# Altium PCB fpgav2.2.PcbDoc (part 1 of 5) (continued)
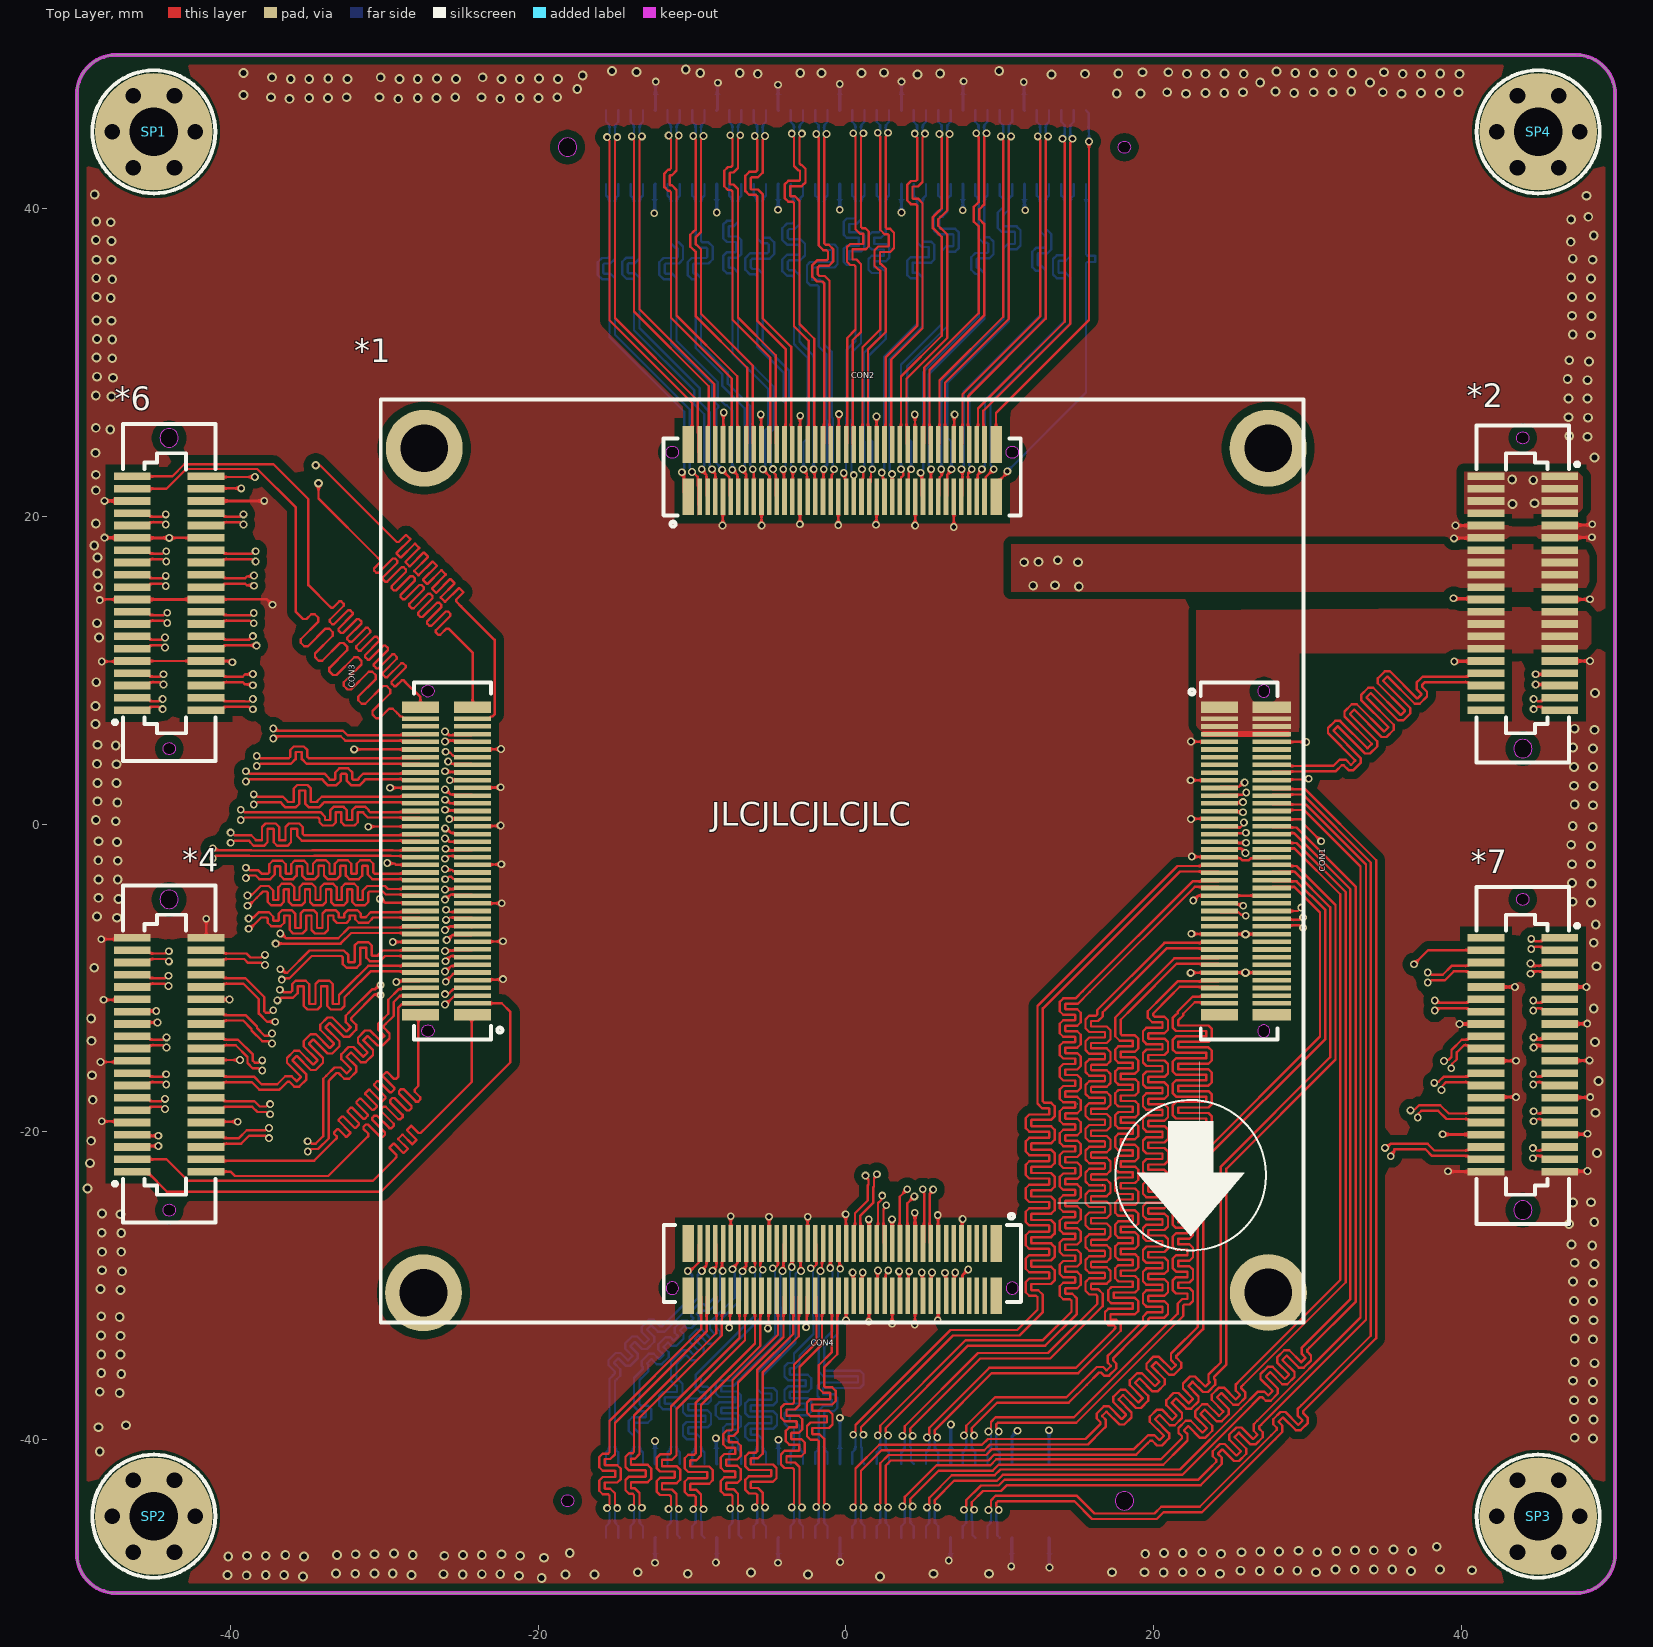
[diagram p0: Top Layer view]
## Footprints (in the part's own frame and the unit in brackets; to place one, negate y for a bottom-side part, rotate by r counter-clockwise, add the part's x,y. Pads: shape width x height; smd on the part's side, far side on the other; paste and mask are expansions set on the pad) (continued)
  round 5 hole 3.1: ""(-27.473,-27.473) ""(-27.417,27.429) ""(27.445,27.429) ""(27.457,-27.46)
  Keep-Out Layer board cut-out: -27.177,-10.854 -27.33,-10.823 -27.459,-10.736 -27.546,-10.607 -27.577,-10.454 -27.577,-10.454 -27.546,-10.301 -27.459,-10.171 -27.33,-10.084 -27.177,-10.054 -27.177,-10.054 -27.023,-10.084 -26.894,-10.171 -26.807,-10.301 -26.777,-10.454 -26.777,-10.454 -26.807,-10.607 -26.894,-10.736 -27.023,-10.823 -27.177,-10.854
  Keep-Out Layer board cut-out: -27.177,11.246 -27.33,11.277 -27.46,11.364 -27.546,11.493 -27.577,11.646 -27.577,11.646 -27.546,11.799 -27.46,11.929 -27.33,12.016 -27.177,12.046 -27.177,12.046 -27.024,12.016 -26.894,11.929 -26.807,11.799 -26.777,11.646 -26.777,11.646 -26.807,11.493 -26.894,11.364 -27.024,11.277 -27.177,11.246
  Keep-Out Layer board cut-out: -11.296,26.768 -11.449,26.798 -11.578,26.885 -11.665,27.014 -11.696,27.168 -11.696,27.168 -11.665,27.321 -11.578,27.45 -11.449,27.537 -11.296,27.568 -11.296,27.568 -11.143,27.537 -11.013,27.45 -10.926,27.321 -10.896,27.168 -10.896,27.168 -10.926,27.014 -11.013,26.885 -11.143,26.798 -11.296,26.768
  Keep-Out Layer board cut-out: 10.804,26.768 10.651,26.798 10.522,26.885 10.435,27.015 10.404,27.168 10.404,27.168 10.435,27.321 10.522,27.451 10.651,27.537 10.804,27.568 10.804,27.568 10.957,27.537 11.087,27.451 11.174,27.321 11.204,27.168 11.204,27.168 11.174,27.015 11.087,26.885 10.957,26.798 10.804,26.768
  Keep-Out Layer board cut-out: 26.762,11.641 26.792,11.488 26.879,11.359 27.009,11.272 27.162,11.241 27.162,11.241 27.315,11.272 27.445,11.359 27.531,11.488 27.562,11.641 27.562,11.641 27.531,11.794 27.445,11.924 27.315,12.011 27.162,12.041 27.162,12.041 27.009,12.011 26.879,11.924 26.792,11.794 26.762,11.641
  Keep-Out Layer board cut-out: 26.762,-10.459 26.792,-10.612 26.879,-10.741 27.009,-10.828 27.162,-10.859 27.162,-10.859 27.315,-10.828 27.445,-10.741 27.531,-10.612 27.562,-10.459 27.562,-10.459 27.531,-10.306 27.445,-10.176 27.315,-10.089 27.162,-10.059 27.162,-10.059 27.009,-10.089 26.879,-10.176 26.792,-10.306 26.762,-10.459
  Keep-Out Layer board cut-out: 10.409,-27.172 10.439,-27.325 10.526,-27.455 10.656,-27.541 10.809,-27.572 10.809,-27.572 10.962,-27.541 11.092,-27.455 11.178,-27.325 11.209,-27.172 11.209,-27.172 11.178,-27.019 11.092,-26.889 10.962,-26.802 10.809,-26.772 10.809,-26.772 10.656,-26.802 10.526,-26.889 10.439,-27.019 10.409,-27.172
  Keep-Out Layer board cut-out: -11.701,-27.172 -11.67,-27.329 -11.581,-27.462 -11.448,-27.551 -11.291,-27.582 -11.291,-27.582 -11.134,-27.551 -11.001,-27.462 -10.913,-27.329 -10.881,-27.172 -10.881,-27.172 -10.913,-27.015 -11.001,-26.882 -11.134,-26.793 -11.291,-26.762 -11.291,-26.762 -11.448,-26.793 -11.581,-26.882 -11.67,-27.015 -11.701,-27.172
  silkscreen extent -30.25,-29.4 29.75,30.6, body extent -28.3,-28.33 28.24,28.39, height 2.4
BTB-08-40-G-H1.0 [mm] "BTB 公座，0.8mm间距"
  rect 0.5x2.4 smd mask+0.051: 1(-7.6,2.4) 2(-7.6,-2.4) 3(-6.8,2.4) 4(-6.8,-2.4) 5(-6,2.4) 6(-6,-2.4) 7(-5.2,2.4) 8(-5.2,-2.4) 9(-4.4,2.4) 10(-4.4,-2.4) 11(-3.6,2.4) 12(-3.6,-2.4) 13(-2.8,2.4) 14(-2.8,-2.4) 15(-2,2.4) 16(-2,-2.4) 17(-1.2,2.4) 18(-1.2,-2.4) 19(-0.4,2.4) 20(-0.4,-2.4) 21(0.4,2.4) 22(0.4,-2.4) 23(1.2,2.4) 24(1.2,-2.4) 25(2,2.4) 26(2,-2.4) 27(2.8,2.4) 28(2.8,-2.4) 29(3.6,2.4) 30(3.6,-2.4) 31(4.4,2.4) 32(4.4,-2.4) 33(5.2,2.4) 34(5.2,-2.4) 35(6,2.4) 36(6,-2.4) 37(6.8,2.4) 38(6.8,-2.4) 39(7.6,2.4) 40(7.6,-2.4)
  Keep-Out Layer board cut-out: 9.5,0 9.546,-0.23 9.676,-0.424 9.87,-0.554 10.1,-0.6 10.1,-0.6 10.33,-0.554 10.524,-0.424 10.654,-0.23 10.7,0 10.7,0 10.654,0.23 10.524,0.424 10.33,0.554 10.1,0.6 10.1,0.6 9.87,0.554 9.676,0.424 9.546,0.23 9.5,0
  Keep-Out Layer board cut-out: -10.1,-0.4 -10.253,-0.37 -10.383,-0.283 -10.469,-0.153 -10.5,0 -10.5,0 -10.469,0.153 -10.383,0.283 -10.253,0.37 -10.1,0.4 -10.1,0.4 -9.947,0.37 -9.817,0.283 -9.73,0.153 -9.7,0 -9.7,0 -9.73,-0.153 -9.817,-0.283 -9.947,-0.37 -10.1,-0.4
  silkscreen extent -10.9,-3 11,3.66, body extent -10.87,-3 10.93,3, height 3.85
BTB-08-80-M [mm] "BTB 母座，0.8mm间距"
  rect 0.5x2 smd mask+0.051: 1(-15.6,-2.4) 2(-15.6,2.4) 3(-14.8,-2.4) 4(-14.8,2.4) 5(-14,-2.4) 6(-14,2.4) 7(-13.2,-2.4) 8(-13.2,2.4) 9(-12.4,-2.4) 10(-12.4,2.4) 11(-11.6,-2.4) 12(-11.6,2.4) 13(-10.8,-2.4) 14(-10.8,2.4) 15(-10,-2.4) 16(-10,2.4) 17(-9.2,-2.4) 18(-9.2,2.4) 19(-8.4,-2.4) 20(-8.4,2.4) 21(-7.6,-2.4) 22(-7.6,2.4) 23(-6.8,-2.4) 24(-6.8,2.4) 25(-6,-2.4) 26(-6,2.4) 27(-5.2,-2.4) 28(-5.2,2.4) 29(-4.4,-2.4) 30(-4.4,2.4) 31(-3.6,-2.4) 32(-3.6,2.4) 33(-2.8,-2.4) 34(-2.8,2.4) 35(-2,-2.4) 36(-2,2.4) 37(-1.2,-2.4) 38(-1.2,2.4) 39(-0.4,-2.4) 40(-0.4,2.4) 41(0.4,-2.4) 42(0.4,2.4) 43(1.2,-2.4) 44(1.2,2.4) 45(2,-2.4) 46(2,2.4) 47(2.8,-2.4) 48(2.8,2.4) 49(3.6,-2.4) 50(3.6,2.4) 51(4.4,-2.4) 52(4.4,2.4) 53(5.2,-2.4) 54(5.2,2.4) 55(6,-2.4) 56(6,2.4) 57(6.8,-2.4) 58(6.8,2.4) 59(7.6,-2.4) 60(7.6,2.4) 61(8.4,-2.4) 62(8.4,2.4) 63(9.2,-2.4) 64(9.2,2.4) 65(10,-2.4) 66(10,2.4) 67(10.8,-2.4) 68(10.8,2.4) 69(11.6,-2.4) 70(11.6,2.4) 71(12.4,-2.4) 72(12.4,2.4) 73(13.2,-2.4) 74(13.2,2.4) 75(14,-2.4) 76(14,2.4) 77(14.8,-2.4) 78(14.8,2.4) 79(15.6,-2.4) 80(15.6,2.4)
  Keep-Out Layer board cut-out: 17.7,0 17.73,-0.153 17.817,-0.283 17.947,-0.37 18.1,-0.4 18.1,-0.4 18.253,-0.37 18.383,-0.283 18.47,-0.153 18.5,0 18.5,0 18.47,0.153 18.383,0.283 18.253,0.37 18.1,0.4 18.1,0.4 17.947,0.37 17.817,0.283 17.73,0.153 17.7,0
  Keep-Out Layer board cut-out: -18.1,-0.6 -18.329,-0.554 -18.524,-0.424 -18.654,-0.23 -18.7,0 -18.7,0 -18.654,0.229 -18.524,0.424 -18.329,0.554 -18.1,0.6 -18.1,0.6 -17.87,0.554 -17.676,0.424 -17.546,0.229 -17.5,0 -17.5,0 -17.546,-0.23 -17.676,-0.424 -17.87,-0.554 -18.1,-0.6
  silkscreen extent -18.9,-3.63 18.98,3.03
M3x10_N [mil] "M3铜柱，长：10mm"
  round 40 hole 40: 1(-106,0) 1(-53,-91.8) 1(-53,91.8) 1(53,-91.8) 1(53,91.8) 1(106,0)
  round 300 hole 125: 1(0,0)
  silkscreen extent -157,-157 157,157, body extent -106,-93 106,93, height 396

## Part data
*3 *5: library part BTB-08-80-M
SP1 SP2 SP3 SP4: library part 铜柱大焊盘, "铜柱", BOM名称=铜柱, 学习资源=https://shop463601444.taobao.com, 版权归属="封装库来自淘宝 ID：黄晶宝石"

## Via types
v1: diameter 0.508, hole 0.305, Top Layer to Bottom Layer, 418 vias
v2: diameter 0.635, hole 0.381, Top Layer to Bottom Layer, 340 vias
v3: diameter 0.559, hole 0.305, Top Layer to Bottom Layer, 4 vias

## Nets (pads, with @x,y where several pads share a name; then routed paths per layer and width w, separated by ;. In a path a pad name is that pad's centre, name@x,y a point inside that pad or via, vN(x,y) a via of type N, cw(c..) or ccw(c..) an arc to the next point about the centre after c; other vN are vias at no path point)
+5: *2.13 *2.14 *2.15 *2.16 *2.17 *2.18 *2.19 *2.20 *3.9 *3.10 *3.11 *3.12
  other v2: 15.138,15.443 12.167,15.494 13.589,15.519 11.582,17.018 15.088,17.018 12.522,17.043 13.767,17.145
+12: *2.1 *2.2 *2.3 *2.4 *2.5 *2.6 *2.7 *2.8 *3.1 *3.2 *3.3 *3.4 *3.5 *3.6
  other v2: 43.332,20.803 44.755,20.853 44.679,22.352 43.307,22.403
B13_IO0: *1.114 *5.33 | length 23.5
  Top Layer w0.152: v1(-2.87,44.882) -2.87,44.786 -3.022,44.633 -3.022,43.485 -3.022,42.929 -2.933,42.84 -2.878,42.84 -2.636,42.599 -2.636,41.71 -2.878,41.468 -3.6,41.468 -3.633,41.435 -3.633,40.841 -3.6,40.808 -3.32,40.808 -3.022,40.51 -3.022,40.183 -3.022,32.506 -2.068,31.552 -2.068,24.743 *1.114@-1.996,24.671
  Bottom Layer w0.152: -3.022,45.13 -3.022,45.428 -2.8,45.65 *5.33@-2.8,46.4
B13_L1_N: *1.24 *3.17 | length 73.8
  Top Layer w0.152: v1(9.27,-44.602) 9.27,-44.506 9.422,-44.354 9.422,-43.973 9.732,-43.663 14.981,-43.663 16.147,-44.829 20.053,-44.829 20.495,-44.387 22.999,-44.387 27.648,-39.739 28.008,-39.378 28.008,-39.252 27.773,-39.016 27.773,-38.693 28.24,-38.226 28.563,-38.226 29.386,-39.049 29.415,-39.049 29.674,-38.791 29.674,-38.762 29.36,-38.448 29.36,-38.027 29.591,-37.795 34.112,-33.275 34.112,-2.498 29.7,1.914 27.743,1.914 *1.24@27.671,1.841
  Bottom Layer w0.152: *3.17@9.2,-46.4 9.2,-45.65 9.422,-45.428 9.422,-45.024 9.422,-44.851
B13_L1_P: *1.22 *3.15 | length 74.4
  Top Layer w0.152: v1(9.93,-44.602) 9.93,-44.506 9.778,-44.354 9.778,-44.12 9.879,-44.018 14.833,-44.018 16,-45.184 20.2,-45.184 20.642,-44.743 23.147,-44.743 27.9,-39.99 28.364,-39.526 28.364,-39.105 28.128,-38.869 28.128,-38.84 28.387,-38.582 28.416,-38.582 29.239,-39.405 29.562,-39.405 30.029,-38.938 30.029,-38.615 29.715,-38.301 29.715,-38.174 29.843,-38.047 34.468,-33.422 34.468,-2.351 29.848,2.269 27.743,2.269 *1.22@27.671,2.341
  Bottom Layer w0.152: 9.778,-44.851 9.778,-45.171 9.778,-45.298 9.826,-45.346 9.826,-46.226 *3.15@10,-46.4
B13_L2_N: *1.28 *3.21 | length 73.9
  Top Layer w0.152: v1(7.67,-44.577) 7.67,-44.481 7.822,-44.328 7.822,-43.947 8.767,-43.002 9.936,-43.002 10.317,-42.621 22.911,-42.621 23.635,-41.897 24.073,-41.459 24.073,-41.333 23.838,-41.097 23.838,-40.774 24.305,-40.307 24.628,-40.307 25.372,-41.052 25.401,-41.052 25.66,-40.793 25.66,-40.764 24.915,-40.02 24.915,-39.696 25.382,-39.23 25.706,-39.23 26.45,-39.974 26.479,-39.974 26.737,-39.715 26.737,-39.687 26.502,-39.451 26.502,-39.03 26.733,-38.798 33.452,-32.08 33.452,-2.772 29.766,0.914 27.743,0.914 *1.28@27.671,0.842
  Bottom Layer w0.152: *3.21@7.6,-46.4 7.6,-45.65 7.822,-45.428 7.822,-45.024 7.822,-44.826
B13_L2_P: *1.26 *3.19 | length 74.5
  Top Layer w0.152: v1(8.33,-44.577) 8.33,-44.481 8.178,-44.328 8.178,-44.094 8.914,-43.358 10.083,-43.358 10.464,-42.977 23.058,-42.977 23.886,-42.149 24.429,-41.606 24.429,-41.185 24.193,-40.95 24.193,-40.921 24.452,-40.663 24.481,-40.663 25.225,-41.407 25.548,-41.407 26.015,-40.94 26.015,-40.617 25.271,-39.872 25.271,-39.844 25.53,-39.585 25.558,-39.585 26.303,-40.33 26.626,-40.33 27.093,-39.863 27.093,-39.539 26.857,-39.304 26.857,-39.177 26.985,-39.05 33.807,-32.227 33.807,-2.625 29.914,1.269 27.743,1.269 *1.26@27.671,1.341
  Bottom Layer w0.152: 8.178,-44.826 8.178,-45.171 8.178,-45.298 8.226,-45.346 8.226,-46.226 *3.19@8.4,-46.4
B13_L3_N: *1.33 *7.3 | length 25.2
  Top Layer w0.152: *1.33@24.272,-0.659 24.344,-0.586 24.369,-0.611 25.949,-0.611 v1(25.996,-0.564) ; 44.8,-7.978 45.228,-7.978 45.45,-8.2 *7.3@46.4,-8.2
  S2 w0.152: v1(25.996,-0.564) 26.016,-0.584 31.735,-0.584 39.129,-7.978 44.303,-7.978 44.455,-8.13 v1(44.552,-8.13)
B13_L3_P: *1.31 *7.1 | length 25.4
  Top Layer w0.152: *1.31@24.272,-0.158 24.344,-0.231 25.631,-0.231 25.867,0.005 v1(25.867,0.095) ; 44.8,-7.622 45.228,-7.622 45.45,-7.4 *7.1@46.4,-7.4
  S2 w0.152: v1(25.867,0.095) 25.963,0.095 26.139,-0.081 31.663,-0.081 39.204,-7.622 44.303,-7.622 44.455,-7.47 v1(44.552,-7.47)
B13_L4_N: *1.18 *2.36 | length 38.4
  Top Layer w0.152: *1.18@27.671,3.341 27.743,3.414 29.858,3.414 29.874,3.429 31.838,3.429 31.89,3.481 32.225,3.816 32.351,3.816 32.665,3.502 32.989,3.502 33.456,3.969 33.456,4.293 31.689,6.059 31.689,6.088 31.947,6.347 31.976,6.347 33.743,4.58 34.066,4.58 34.533,5.047 34.533,5.37 32.766,7.137 32.766,7.166 33.025,7.424 33.054,7.424 34.821,5.658 35.144,5.658 35.611,6.125 35.611,6.448 33.844,8.215 33.844,8.243 34.103,8.502 34.131,8.502 35.898,6.735 36.221,6.735 36.688,7.202 36.688,7.526 34.922,9.292 34.922,9.321 35.18,9.58 35.209,9.58 36.976,7.813 37.299,7.813 37.766,8.28 37.766,8.603 37.452,8.917 37.452,9.043 37.58,9.171 37.631,9.222 40.428,9.222 40.65,9 *2.36@41.6,9
B13_L4_P: *1.16 *2.34 | length 38.4
  Top Layer w0.152: *1.16@27.671,3.841 27.743,3.769 29.711,3.769 29.726,3.785 31.586,3.785 31.69,3.785 32.078,4.172 32.499,4.172 32.813,3.858 32.841,3.858 33.1,4.117 33.1,4.145 31.333,5.912 31.333,6.235 31.8,6.702 32.123,6.702 33.89,4.936 33.919,4.936 34.178,5.194 34.178,5.223 32.411,6.99 32.411,7.313 32.878,7.78 33.201,7.78 34.968,6.013 34.997,6.013 35.255,6.272 35.255,6.301 33.488,8.067 33.488,8.391 33.955,8.858 34.279,8.858 36.045,7.091 36.074,7.091 36.333,7.35 36.333,7.378 34.566,9.145 34.566,9.468 35.033,9.935 35.356,9.935 37.123,8.169 37.152,8.169 37.41,8.427 37.41,8.456 37.096,8.77 37.096,9.191 37.328,9.422 37.483,9.578 40.428,9.578 40.65,9.8 *2.34@41.6,9.8
B13_L5_N: *1.23 *2.35 | length 34.6
  Top Layer w0.152: *1.23@24.272,1.841 24.335,1.904 25.779,1.904 ; v1(44.831,9.07) 46.33,9.07 *2.35@46.4,9
  S2 w0.152: v1(26.018,2.047) 26.115,2.047 26.263,2.195 29.639,2.195 29.726,2.108 35.331,2.108 35.522,2.299 36.122,2.899 36.122,3.32 36.094,3.348 36.094,3.377 36.353,3.635 36.382,3.635 36.997,3.02 37.321,3.02 37.788,3.487 37.788,3.81 37.172,4.426 37.172,4.454 37.43,4.713 37.459,4.713 38.075,4.097 38.398,4.097 38.865,4.564 38.865,4.888 38.249,5.503 38.249,5.532 38.508,5.791 38.537,5.791 39.153,5.175 39.476,5.175 39.943,5.642 39.943,5.965 39.327,6.581 39.327,6.61 39.586,6.868 39.614,6.868 40.23,6.253 40.554,6.253 41.02,6.72 41.02,7.043 40.405,7.659 40.405,7.687 40.663,7.946 40.692,7.946 41.308,7.33 41.631,7.33 42.098,7.797 42.098,8.121 41.784,8.435 41.784,8.561 41.912,8.688 42.445,9.222 44.582,9.222 44.735,9.07 v1(44.831,9.07)
B13_L5_P: *1.21 *2.33 | length 34.9
  Top Layer w0.152: *1.21@24.272,2.341 24.346,2.415 25.534,2.415 25.818,2.699 v1(25.915,2.699) ; v1(44.831,9.73) 46.33,9.73 *2.33@46.4,9.8
  S2 w0.152: v1(25.915,2.699) 26.011,2.699 26.159,2.551 29.787,2.551 29.874,2.464 35.184,2.464 35.27,2.55 35.767,3.046 35.767,3.173 35.739,3.201 35.739,3.524 36.206,3.991 36.529,3.991 37.145,3.375 37.173,3.375 37.432,3.634 37.432,3.663 36.816,4.278 36.816,4.602 37.283,5.069 37.607,5.069 38.222,4.453 38.251,4.453 38.51,4.712 38.51,4.74 37.894,5.356 37.894,5.679 38.361,6.146 38.684,6.146 39.3,5.531 39.329,5.531 39.587,5.789 39.587,5.818 38.972,6.434 38.972,6.757 39.438,7.224 39.762,7.224 40.377,6.608 40.406,6.608 40.665,6.867 40.665,6.896 40.049,7.511 40.049,7.835 40.516,8.302 40.839,8.302 41.455,7.686 41.484,7.686 41.742,7.945 41.742,7.973 41.428,8.287 41.428,8.708 41.66,8.94 42.298,9.578 44.582,9.578 44.735,9.73 v1(44.831,9.73)
B13_L6_N: *1.34 *3.27 | length 74.2
  Top Layer w0.152: v1(5.27,-44.425) 5.27,-44.328 5.422,-44.176 5.422,-43.795 6.875,-42.342 9.663,-42.342 10.044,-41.961 21.717,-41.961 25.667,-38.011 26.775,-36.903 27.196,-36.903 27.431,-37.138 27.46,-37.138 27.719,-36.879 27.719,-36.851 26.951,-36.083 26.951,-35.759 27.418,-35.292 27.741,-35.292 28.509,-36.06 28.538,-36.06 28.796,-35.802 28.796,-35.773 28.028,-35.005 28.028,-34.682 28.495,-34.215 28.819,-34.215 29.587,-34.983 29.615,-34.983 29.874,-34.724 29.874,-34.695 29.639,-34.46 29.639,-34.039 29.87,-33.807 32.791,-30.886 32.791,-4.244 29.134,-0.586 27.743,-0.586 *1.34@27.671,-0.659
  Bottom Layer w0.152: *3.27@5.2,-46.4 5.2,-45.65 5.422,-45.428 5.422,-45.024 5.422,-44.673
B13_L6_P: *1.32 *3.25 | length 74.8
  Top Layer w0.152: v1(5.93,-44.425) 5.93,-44.328 5.778,-44.176 5.778,-43.942 7.022,-42.697 9.81,-42.697 10.191,-42.316 21.864,-42.316 25.918,-38.263 26.923,-37.258 27.049,-37.258 27.284,-37.493 27.607,-37.493 28.074,-37.027 28.074,-36.703 27.306,-35.935 27.306,-35.907 27.565,-35.648 27.594,-35.648 28.362,-36.416 28.685,-36.416 29.152,-35.949 29.152,-35.626 28.384,-34.858 28.384,-34.829 28.643,-34.57 28.671,-34.57 29.439,-35.338 29.763,-35.338 30.23,-34.871 30.23,-34.548 29.994,-34.313 29.994,-34.186 30.122,-34.059 33.147,-31.034 33.147,-4.097 29.281,-0.231 27.743,-0.231 *1.32@27.671,-0.158
  Bottom Layer w0.152: 5.778,-44.673 5.778,-45.171 5.778,-45.428 6,-45.65 *3.25@6,-46.4
B13_L7_N: *1.27 *2.39 | length 34.6
  Top Layer w0.152: *1.27@24.272,0.841 24.312,0.801 25.766,0.801 v1(25.806,0.761) ; 44.953,7.622 45.228,7.622 45.45,7.4 *2.39@46.4,7.4
  S2 w0.152: v1(25.806,0.761) 25.903,0.761 26.055,0.914 27.076,0.914 27.881,0.914 28.178,1.211 28.178,1.515 28.199,1.535 28.564,1.535 28.585,1.515 28.585,0.965 28.813,0.737 29.474,0.737 29.702,0.965 29.702,1.427 29.723,1.448 30.088,1.448 30.109,1.427 30.109,0.696 30.337,0.467 30.998,0.467 31.226,0.696 31.226,1.427 31.247,1.448 31.612,1.448 31.633,1.427 31.633,0.38 31.861,0.152 32.522,0.152 32.75,0.38 32.75,1.427 32.771,1.448 33.136,1.448 33.157,1.427 33.157,0.38 33.385,0.152 34.046,0.152 34.274,0.38 34.274,1.427 34.295,1.448 34.66,1.448 34.681,1.427 34.681,0.38 34.909,0.152 35.57,0.152 35.798,0.38 35.798,0.824 35.888,0.914 36.068,0.914 37.467,0.914 44.176,7.622 44.455,7.622 44.608,7.47 v1(44.704,7.47)
B13_L7_P: *1.25 *2.37 | length 34.6
  Top Layer w0.152: *1.25@24.272,1.341 24.312,1.381 25.766,1.381 v1(25.806,1.422) ; 44.953,7.978 45.228,7.978 45.45,8.2 *2.37@46.4,8.2
  S2 w0.152: v1(25.806,1.422) 25.903,1.422 26.055,1.269 27.076,1.269 27.733,1.269 27.823,1.358 27.823,1.662 28.051,1.89 28.712,1.89 28.94,1.662 28.94,1.113 28.961,1.092 29.326,1.092 29.347,1.113 29.347,1.575 29.575,1.803 30.236,1.803 30.464,1.575 30.464,0.843 30.485,0.823 30.85,0.823 30.871,0.843 30.871,1.575 31.099,1.803 31.76,1.803 31.988,1.575 31.988,0.527 32.009,0.507 32.374,0.507 32.395,0.527 32.395,1.575 32.623,1.803 33.284,1.803 33.512,1.575 33.512,0.527 33.533,0.507 33.898,0.507 33.919,0.527 33.919,1.575 34.147,1.803 34.808,1.803 35.036,1.575 35.036,0.527 35.057,0.507 35.422,0.507 35.443,0.527 35.443,0.972 35.74,1.269 36.068,1.269 37.32,1.269 44.028,7.978 44.455,7.978 44.608,8.13 v1(44.704,8.13)
B13_L8_N: *1.115 *5.36 | length 23.6
  Top Layer w0.152: *1.115@-1.496,21.272 -1.496,22.369 -1.469,22.396 -1.469,23.038 v1(-1.442,23.065)
  Bottom Layer w0.152: *5.36@-2,41.6 -2,40.85 -1.778,40.628 -1.778,38.862 -1.778,37.616 -1.48,37.319 -0.903,37.319 -0.903,36.531 -2.331,36.531 -2.54,36.323 -2.54,35.241 -2.331,35.033 -1.867,35.033 -1.778,34.943 -1.778,34.763 -1.778,31.039 -1.29,30.551 -1.29,26.297 -1.214,26.221 -1.214,23.389 -1.442,23.161 v1(-1.442,23.065)
B13_L8_P: *1.117 *5.38 | length 23.6
  Top Layer w0.152: *1.117@-0.996,21.272 -0.922,21.346 -0.922,22.701 -0.85,22.773 -0.85,22.997 v1(-0.782,23.065)
  Bottom Layer w0.152: *5.38@-1.2,41.6 -1.2,40.85 -1.422,40.628 -1.422,38.862 -1.422,37.764 -1.333,37.674 -0.756,37.674 -0.548,37.466 -0.548,36.384 -0.756,36.176 -2.184,36.176 -2.184,35.388 -1.72,35.388 -1.422,35.091 -1.422,34.763 -1.422,31.186 -0.934,30.698 -0.934,26.445 -0.858,26.369 -0.858,23.332 -0.85,23.324 -0.85,23.133 v1(-0.782,23.065)
B13_L9_N: *1.111 *5.32 | length 23.8
  Top Layer w0.152: v1(-2.763,23.063) -2.763,22.966 -2.535,22.738 -2.535,21.311 *1.111@-2.496,21.272
  Bottom Layer w0.152: *5.32@-3.6,41.6 -3.6,40.85 -3.378,40.628 -3.378,39.522 -3.378,39.139 -3.477,39.04 -3.832,39.04 -4.14,38.732 -4.14,37.976 -3.832,37.668 -3.118,37.668 -3.019,37.569 -3.019,37.107 -3.118,37.008 -3.832,37.008 -4.14,36.7 -4.14,35.944 -3.832,35.636 -3.477,35.636 -3.378,35.537 -3.378,35.357 -3.378,31.213 -3.28,31.115 -3.28,31.093 -2.489,30.302 -2.489,25.088 -2.763,24.814 v1(-2.763,23.063)
B13_L9_P: *1.113 *5.34 | length 23.7
  Top Layer w0.152: v1(-2.103,23.065) -2.035,22.997 -2.035,22.396 -1.996,22.357 *1.113@-1.996,21.272
  Bottom Layer w0.152: *5.34@-2.8,41.6 -2.8,40.85 -3.022,40.628 -3.022,39.522 -3.022,38.992 -3.33,38.684 -3.685,38.684 -3.784,38.585 -3.784,38.123 -3.685,38.024 -2.971,38.024 -2.663,37.716 -2.663,36.96 -2.971,36.652 -3.685,36.652 -3.784,36.553 -3.784,36.091 -3.685,35.992 -3.33,35.992 -3.022,35.684 -3.022,35.357 -3.022,31.36 -2.925,31.262 -2.925,31.24 -2.134,30.449 -2.134,30.377 -2.103,30.346 -2.103,24.54 v1(-2.103,23.065)
B13_L10_N: *1.107 *5.28 | length 23.6
  Top Layer w0.152: *1.107@-3.496,21.272 -3.46,21.308 -3.46,23.029 v1(-3.423,23.065)
  Bottom Layer w0.152: *5.28@-5.2,41.6 -5.2,40.85 -5.422,40.628 -5.422,39.243 -5.422,38.216 -5.323,38.117 -4.968,38.117 -4.66,37.809 -4.66,37.052 -4.968,36.745 -6.085,36.745 -6.184,36.646 -6.184,36.184 -6.085,36.085 -5.73,36.085 -5.422,35.777 -5.422,35.45 -5.422,31.198 -3.683,29.458 -3.683,27.61 -3.576,27.504 -3.576,23.313 -3.423,23.161 v1(-3.423,23.065)
B13_L10_P: *1.105 *5.26 | length 23.6
  Top Layer w0.152: v1(-4.084,23.065) -4.04,23.02 -4.04,21.316 *1.105@-3.996,21.272
  Bottom Layer w0.152: *5.26@-6,41.6 -6,40.85 -5.778,40.628 -5.778,39.243 -5.778,38.068 -5.47,37.761 -5.115,37.761 -5.016,37.662 -5.016,37.2 -5.115,37.101 -6.232,37.101 -6.54,36.793 -6.54,36.036 -6.232,35.729 -5.877,35.729 -5.778,35.63 -5.778,35.45 -5.778,31.051 -4.038,29.311 -4.038,27.463 -3.931,27.356 -3.931,23.313 -4.084,23.161 v1(-4.084,23.065)
B13_L11_N: *1.103 *5.24 | length 23.5
  Top Layer w0.152: -4.676,22.824 -4.568,22.716 -4.568,21.344 *1.103@-4.496,21.272
  Bottom Layer w0.152: *5.24@-6.8,41.6 -6.8,40.85 -7.022,40.628 -7.022,39.649 -7.022,39.15 -7.32,38.852 -7.598,38.852 -7.631,38.819 -7.631,38.225 -7.598,38.192 -7.04,38.192 -6.799,37.951 -6.799,37.062 -7.04,36.82 -7.598,36.82 -7.631,36.787 -7.631,36.193 -7.598,36.16 -7.32,36.16 -7.022,35.862 -7.022,35.535 -7.022,30.743 -4.699,28.42 -4.699,25.665 -4.897,25.468 -4.897,23.32 -4.744,23.168 v1(-4.744,23.072)
B13_L11_P: *1.101 *5.22 | length 23.9
  Top Layer w0.152: v1(-5.405,23.065) -5.405,23.049 -4.966,22.611 -4.966,21.301 *1.101@-4.996,21.272
  Bottom Layer w0.152: *5.22@-7.6,41.6 -7.6,40.85 -7.378,40.628 -7.378,39.649 -7.378,39.297 -7.467,39.208 -7.745,39.208 -7.987,38.967 -7.987,38.078 -7.745,37.836 -7.188,37.836 -7.155,37.803 -7.155,37.209 -7.188,37.176 -7.745,37.176 -7.987,36.935 -7.987,36.046 -7.745,35.804 -7.467,35.804 -7.378,35.715 -7.378,35.535 -7.378,30.596 -5.055,28.273 -5.055,25.812 -5.252,25.615 -5.252,23.313 -5.405,23.161 v1(-5.405,23.065)
B13_L12_N: *1.97 *5.18 | length 23.8
  Top Layer w0.152: v1(-6.065,23.065) -5.995,22.995 -5.995,22.815 *1.97@-5.995,21.272
  Bottom Layer w0.152: *5.18@-9.2,41.6 -9.2,40.85 -9.422,40.628 -9.422,38.659 -9.422,37.9 -9.333,37.811 -8.935,37.811 -8.66,37.536 -8.66,36.714 -8.935,36.439 -9.875,36.439 -9.941,36.373 -9.941,35.845 -9.875,35.779 -9.72,35.779 -9.422,35.481 -9.422,35.154 -9.422,31.109 -7.683,29.369 -7.683,28.63 -6.221,27.168 -6.221,23.317 -6.065,23.161 v1(-6.065,23.065)
B13_L12_P: *1.95 *5.16 | length 23.8
  Top Layer w0.152: v1(-6.733,23.074) -6.733,22.978 -6.496,22.741 -6.496,22.608 *1.95@-6.496,21.272
  Bottom Layer w0.152: *5.16@-10,41.6 -10,40.85 -9.778,40.628 -9.778,38.659 -9.778,37.753 -9.48,37.455 -9.082,37.455 -9.016,37.389 -9.016,36.861 -9.082,36.795 -10.022,36.795 -10.297,36.52 -10.297,35.698 -10.022,35.423 -9.867,35.423 -9.778,35.334 -9.778,35.154 -9.778,30.961 -8.038,29.222 -8.038,28.483 -6.577,27.021 -6.577,23.326 -6.733,23.17 v1(-6.733,23.074)
B13_L13_N: *1.93 *5.14 | length 23.9
  Top Layer w0.152: v1(-7.392,23.027) -7.065,22.701 -7.065,22.396 -6.995,22.326 *1.93@-6.995,21.272
  Bottom Layer w0.152: *5.14@-10.8,41.6 -10.8,40.85 -11.022,40.628 -11.022,38.862 -11.022,37.9 -10.933,37.811 -10.866,37.811 -10.592,37.536 -10.592,36.714 -10.866,36.439 -11.718,36.439 -11.784,36.373 -11.784,35.845 -11.718,35.779 -11.32,35.779 -11.022,35.481 -11.022,35.154 -11.022,31.413 -8.343,28.734 -8.343,27.742 -7.83,27.229 -7.75,27.229 -7.392,26.87 v1(-7.392,23.027)
B13_L13_P: *1.91 *5.12 | length 23.9
  Top Layer w0.152: v1(-8.052,23.023) -8.052,23.002 -7.569,22.519 -7.569,21.346 *1.91@-7.496,21.272
  Bottom Layer w0.152: *5.12@-11.6,41.6 -11.6,40.85 -11.378,40.628 -11.378,38.862 -11.378,37.753 -11.08,37.455 -11.013,37.455 -10.947,37.389 -10.947,36.861 -11.013,36.795 -11.865,36.795 -12.14,36.52 -12.14,35.698 -11.865,35.423 -11.467,35.423 -11.378,35.334 -11.378,35.154 -11.378,31.266 -8.699,28.587 -8.699,27.594 -8.305,27.2 -8.305,27.074 -8.433,26.946 -8.433,23.468 -8.052,23.087 v1(-8.052,23.023)
B13_L14_N: *1.88 *5.7 | length 23.7
  Top Layer w0.152: v1(-13.27,44.704) -13.27,44.608 -13.422,44.455 -13.422,33.458 -8.568,28.603 -8.568,24.743 *1.88@-8.496,24.671
  Bottom Layer w0.152: -13.422,44.953 -13.422,45.428 -13.2,45.65 *5.7@-13.2,46.4
B13_L14_P: *1.86 *5.5 | length 23.7
  Top Layer w0.152: v1(-13.93,44.704) -13.93,44.608 -13.778,44.455 -13.778,33.31 -8.923,28.456 -8.923,24.743 *1.86@-8.995,24.671
  Bottom Layer w0.152: *5.5@-14,46.4 -14,45.65 -13.778,45.428 -13.778,44.953
B13_L15_N: *1.87 *5.8 | length 23.6
  Top Layer w0.152: v1(-8.712,23.065) -8.712,22.969 -8.496,22.752 *1.87@-8.496,21.272
  Bottom Layer w0.152: *5.8@-13.2,41.6 -13.2,40.85 -13.422,40.628 -13.422,37.795 -13.422,36.762 -13.72,36.465 -14.118,36.465 -14.184,36.399 -14.184,35.87 -14.118,35.804 -13.72,35.804 -13.422,35.507 -13.422,35.179 -13.422,32.244 -9.5,28.321 -9.5,27.417 -8.865,26.782 -8.865,23.314 -8.712,23.161 v1(-8.712,23.065)
B13_L15_P: *1.85 *5.6 | length 23.6
  Top Layer w0.152: v1(-9.373,23.065) -9.373,22.989 -9.069,22.686 -9.069,21.346 *1.85@-8.995,21.272
  Bottom Layer w0.152: *5.6@-14,41.6 -14,40.85 -13.778,40.628 -13.778,37.795 -13.778,36.91 -13.867,36.82 -14.265,36.82 -14.54,36.546 -14.54,35.723 -14.265,35.449 -13.867,35.449 -13.778,35.359 -13.778,35.179 -13.778,32.096 -9.855,28.174 -9.855,27.27 -9.22,26.635 -9.22,23.313 -9.373,23.161 v1(-9.373,23.065)
B13_L16_N: *1.83 *5.4 | length 23.8
  Top Layer w0.152: v1(-10.008,22.878) -9.954,22.878 -9.642,22.567 -9.642,22.469 -9.569,22.396 -9.569,21.346 *1.83@-9.495,21.272
  Bottom Layer w0.152: *5.4@-14.8,41.6 -14.8,40.85 -15.022,40.628 -15.022,38.608 -15.022,36.737 -15.32,36.439 -15.718,36.439 -15.784,36.373 -15.784,35.845 -15.718,35.779 -15.32,35.779 -15.022,35.481 -15.022,35.154 -15.022,31.807 -10.16,26.944 -10.16,23.127 -10.008,22.975 v1(-10.008,22.878)
B13_L16_P: *1.81 *5.2 | length 23.5
  Top Layer w0.152: v1@-10.544,22.643 -10.544,21.667 -10.496,21.619 -10.544,21.571 *1.81@-10.246,21.272
  Bottom Layer w0.152: *5.2@-15.6,41.6 -15.6,40.85 -15.378,40.628 -15.378,38.608 -15.378,36.884 -15.467,36.795 -15.865,36.795 -16.14,36.52 -16.14,35.698 -15.865,35.423 -15.467,35.423 -15.378,35.334 -15.378,35.154 -15.378,31.659 -10.516,26.797 -10.516,23.112 -10.668,22.959 v1(-10.668,22.863)
B13_L17_N: *1.143 *5.64 | length 23.5
  Top Layer w0.152: *1.143@5.504,21.272 5.518,21.286 5.518,23.051 v1(5.532,23.065)
  Bottom Layer w0.152: v1(5.532,23.065) 5.532,23.161 5.37,23.323 5.37,29.221 8.978,32.828 8.978,35.484 8.978,35.811 8.68,36.109 8.568,36.109 8.502,36.175 8.502,36.703 8.568,36.769 9.319,36.769 9.593,37.044 9.593,37.867 9.319,38.141 9.067,38.141 8.978,38.23 8.978,38.684 8.978,40.628 9.2,40.85 *5.64@9.2,41.6
B13_L17_P: *1.141 *5.62 | length 23.6
  Top Layer w0.152: v1(4.852,22.832) 4.852,22.736 4.93,22.657 4.93,21.346 *1.141@5.004,21.272
  Bottom Layer w0.152: v1(4.852,22.832) 4.852,22.928 5.015,23.091 5.015,29.368 8.622,32.976 8.622,35.484 8.622,35.664 8.533,35.753 8.421,35.753 8.146,36.028 8.146,36.851 8.421,37.125 9.171,37.125 9.238,37.191 9.238,37.719 9.171,37.785 8.92,37.785 8.622,38.083 8.622,38.684 8.622,40.628 8.4,40.85 *5.62@8.4,41.6
B14_IO0: *1.159 *5.80 | length 23.8
  Top Layer w0.152: *1.159@9.754,21.272 9.754,22.097 10.422,22.765 10.422,22.868 v1(10.49,22.936)
  Bottom Layer w0.152: v1(10.49,22.936) 15.6,28.046 15.6,35.966 15.6,36.449 15.689,36.538 16.192,36.538 16.212,36.559 16.212,36.924 16.192,36.945 15.689,36.945 15.6,37.034 15.6,37.262 *5.80@15.6,41.6
B14_IO25: *1.160 *5.79 | length 24.3
  Top Layer w0.152: *1.160@9.754,24.671 9.754,26.722 15.799,32.766 v1(15.799,44.374)
  Bottom Layer w0.152: *5.79@15.6,46.4 15.774,46.226 15.774,45.02 15.799,44.995 v1(15.799,44.374)
B14_L3_N: *1.142 *5.61 | length 23.4
  Top Layer w0.152: *1.142@5.004,24.671 5.077,24.743 5.077,29.664 8.622,33.21 8.622,38.684 8.622,38.865 8.533,38.954 8.515,38.954 8.307,39.162 8.307,40.117 8.515,40.325 8.533,40.325 8.622,40.415 8.622,40.628 8.622,44.659 8.47,44.811 v1(8.47,44.907)
  Bottom Layer w0.152: *5.61@8.4,46.4 8.4,45.65 8.622,45.428 8.622,45.156
B14_L3_P: *1.144 *5.63 | length 23.4
  Top Layer w0.152: *1.144@5.504,24.671 5.432,24.743 5.432,29.517 8.978,33.063 8.978,38.684 8.978,39.012 8.68,39.309 8.662,39.309 8.662,39.97 8.68,39.97 8.978,40.267 8.978,40.628 8.978,44.659 9.13,44.811 v1(9.13,44.907)
  Bottom Layer w0.152: 8.978,45.156 8.978,45.428 9.2,45.65 *5.63@9.2,46.4
B14_L4_N: *1.124 *5.43 | length 23.5
  Top Layer w0.152: *1.124@0.504,24.671 0.432,24.743 0.432,31.445 0.978,31.991 0.978,36.068 0.978,36.396 0.68,36.693 0.421,36.693 0.421,37.354 1.269,37.354 1.477,37.562 1.477,38.517 1.269,38.725 1.067,38.725 0.978,38.815 0.978,39.268 0.978,44.659 1.13,44.811 v1(1.13,44.907)
  Bottom Layer w0.152: 0.978,45.156 0.978,45.428 1.2,45.65 *5.43@1.2,46.4
B14_L4_P: *1.122 *5.41 | length 23.5
  Top Layer w0.152: *1.122@0.004,24.671 0.076,24.743 0.076,31.593 0.622,32.138 0.622,36.068 0.622,36.248 0.533,36.338 0.274,36.338 0.066,36.546 0.066,37.501 0.274,37.709 1.121,37.709 1.121,38.37 0.92,38.37 0.622,38.667 0.622,39.268 0.622,44.659 0.47,44.811 v1(0.47,44.907)
  Bottom Layer w0.152: *5.41@0.4,46.4 0.4,45.65 0.622,45.428 0.622,45.156
B14_L5_N: *1.131 *5.52 | length 23.8
  Top Layer w0.152: v1(2.322,22.842) 2.39,22.774 2.39,22.436 2.43,22.396 2.43,21.346 *1.131@2.504,21.272
  Bottom Layer w0.152: v1(2.322,22.842) 2.322,22.938 2.48,23.096 2.48,30.364 4.622,32.506 4.622,35.204 4.622,35.385 4.533,35.474 4.195,35.474 3.987,35.682 3.987,36.637 4.195,36.846 5.384,36.846 5.384,37.506 4.92,37.506 4.622,37.804 4.622,38.71 4.622,40.628 4.4,40.85 *5.52@4.4,41.6
B14_L5_P: *1.133 *5.54 | length 23.7
  Top Layer w0.152: v1(2.993,22.746) 2.999,22.74 2.999,22.396 3.004,22.39 *1.133@3.004,21.272
  Bottom Layer w0.152: v1(2.993,22.746) 2.993,22.842 2.836,23 2.836,30.217 4.978,32.359 4.978,35.204 4.978,35.532 4.68,35.83 4.342,35.83 4.342,36.49 5.531,36.49 5.74,36.698 5.74,37.653 5.531,37.862 5.067,37.862 4.978,37.951 4.978,38.71 4.978,40.628 5.2,40.85 *5.54@5.2,41.6
B14_L6_N: *1.112 *5.31 | length 23.5
  Top Layer w0.152: v1(-3.53,44.882) -3.53,44.786 -3.378,44.633 -3.378,43.485 -3.378,42.782 -3.08,42.484 -3.025,42.484 -2.992,42.451 -2.992,41.857 -3.025,41.824 -3.747,41.824 -3.989,41.583 -3.989,40.694 -3.747,40.452 -3.467,40.452 -3.378,40.363 -3.378,40.183 -3.378,32.359 -2.424,31.405 -2.424,24.743 *1.112@-2.496,24.671
  Bottom Layer w0.152: *5.31@-3.6,46.4 -3.6,45.65 -3.378,45.428 -3.378,45.13
B14_L7_N: *1.116 *5.35 | length 23.3
  Top Layer w0.152: v1(-1.93,44.856) -1.93,44.76 -1.778,44.608 -1.778,38.113 -1.778,37.608 -1.47,37.3 -1.273,37.3 -1.174,37.201 -1.174,36.739 -1.273,36.64 -1.88,36.64 -2.187,36.333 -2.187,35.576 -1.88,35.268 -1.523,35.268 -1.424,35.169 -1.424,34.989 -1.424,24.743 *1.116@-1.496,24.671
  Bottom Layer w0.152: *5.35@-2,46.4 -2,45.65 -1.778,45.428 -1.778,45.105
B14_L7_P: *1.118 *5.37 | length 23.3
  Top Layer w0.152: v1(-1.27,44.856) -1.27,44.76 -1.422,44.608 -1.422,38.113 -1.422,37.755 -1.323,37.656 -1.125,37.656 -0.818,37.349 -0.818,36.592 -1.125,36.284 -1.733,36.284 -1.832,36.185 -1.832,35.723 -1.733,35.624 -1.375,35.624 -1.068,35.317 -1.068,34.989 -1.068,24.743 *1.118@-0.996,24.671
  Bottom Layer w0.152: -1.422,45.105 -1.422,45.428 -1.2,45.65 *5.37@-1.2,46.4
B14_L8_N: *1.96 *5.15 | length 23.4
  Top Layer w0.152: v1(-9.93,44.729) -9.93,44.633 -9.778,44.481 -9.778,39.643 -9.778,38.637 -9.867,38.547 -9.886,38.547 -10.121,38.312 -10.121,37.538 -9.886,37.303 -9.867,37.303 -9.778,37.214 -9.778,37.033 -9.778,33.019 -6.423,29.664 -6.423,24.743 *1.96@-6.496,24.671
  Bottom Layer w0.152: *5.15@-10,46.4 -10,45.65 -9.778,45.428 -9.778,44.978
B14_L8_P: *1.98 *5.17 | length 23.4
  Top Layer w0.152: v1(-9.27,44.729) -9.27,44.633 -9.422,44.481 -9.422,39.643 -9.422,38.489 -9.72,38.192 -9.739,38.192 -9.766,38.165 -9.766,37.685 -9.739,37.658 -9.72,37.658 -9.422,37.361 -9.422,37.033 -9.422,33.166 -6.068,29.812 -6.068,24.743 *1.98@-5.996,24.671
  Bottom Layer w0.152: -9.422,44.978 -9.422,45.428 -9.2,45.65 *5.17@-9.2,46.4
B14_L9_N: *1.128 *5.47 | length 23.4
  Top Layer w0.152: *1.128@1.504,24.671 1.432,24.743 1.432,30.845 2.578,31.991 2.578,35.778 2.578,36.105 2.28,36.403 2.248,36.403 2.209,36.442 2.209,37.151 2.248,37.19 2.876,37.19 3.124,37.438 3.124,38.441 2.876,38.689 2.667,38.689 2.578,38.778 2.578,39.986 2.578,44.684 2.73,44.836 v1(2.73,44.933)
  Bottom Layer w0.152: 2.578,45.171 2.578,45.428 2.8,45.65 *5.47@2.8,46.4
B14_L9_P: *1.126 *5.45 | length 23.4
  Top Layer w0.152: *1.126@1.004,24.671 1.076,24.743 1.076,30.992 2.222,32.138 2.222,35.778 2.222,35.958 2.133,36.047 2.101,36.047 1.853,36.295 1.853,37.298 2.101,37.546 2.729,37.546 2.768,37.585 2.768,38.294 2.729,38.333 2.52,38.333 2.222,38.631 2.222,39.986 2.222,44.684 2.07,44.836 v1(2.07,44.933)
  Bottom Layer w0.152: *5.45@2,46.4 2,45.65 2.222,45.428 2.222,45.171